# KiCad board Lime_RFE.kicad_pcb (continued)
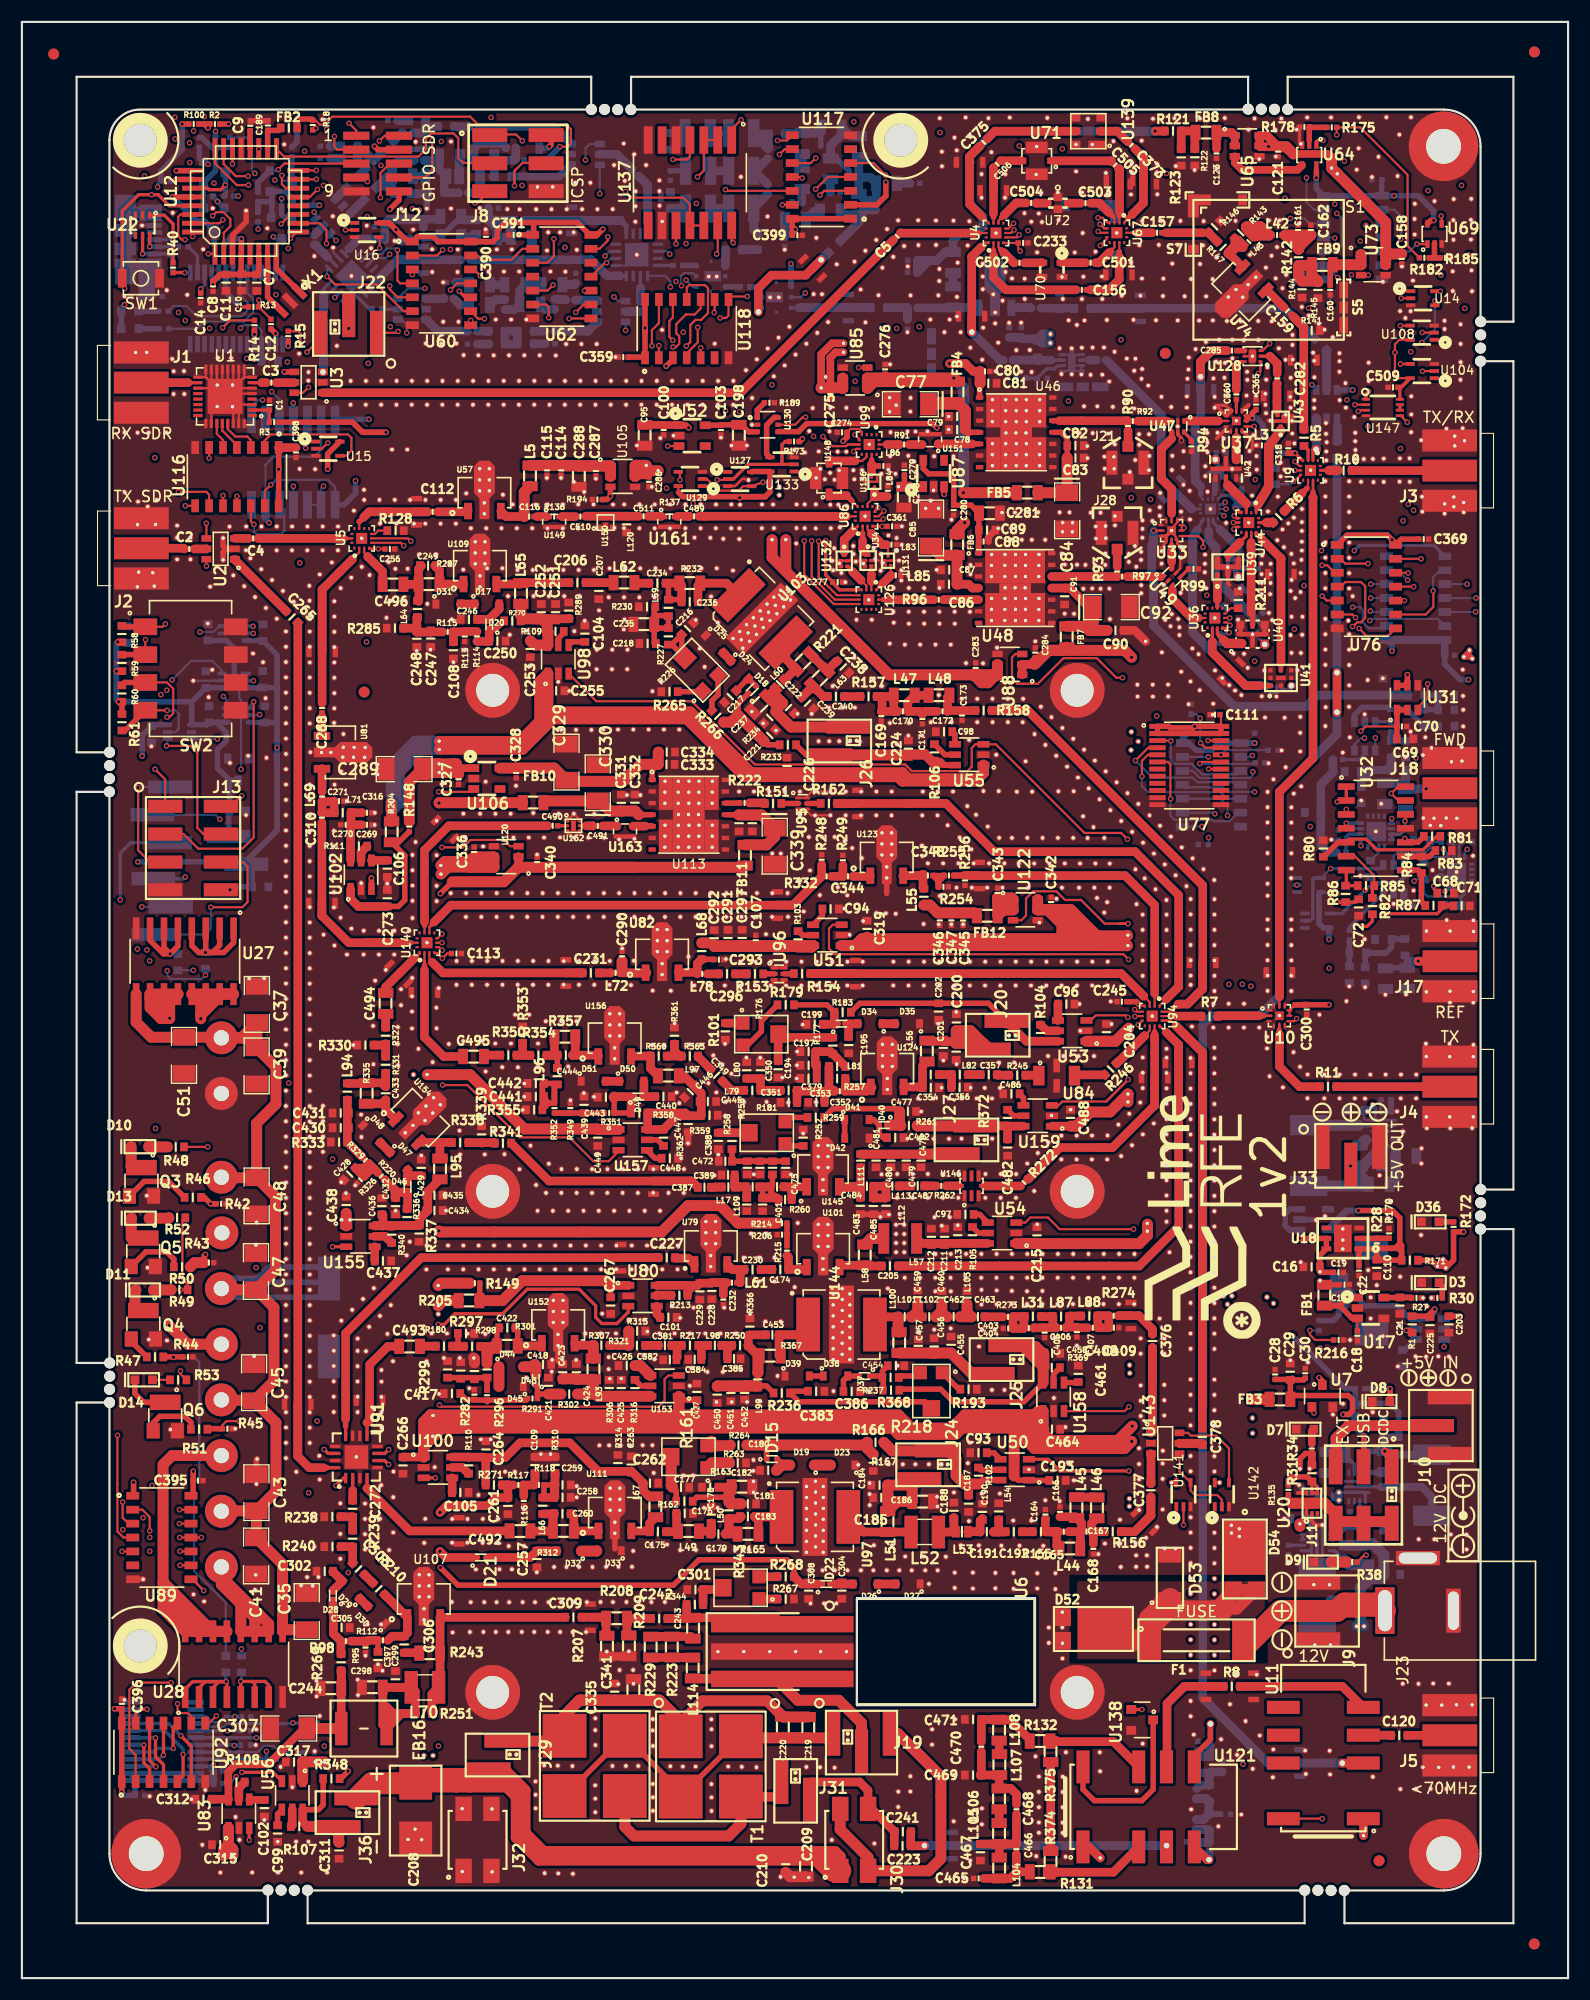
[diagram p0: board, top side]
## Routing (per net, layer and track width the routed paths; a pad name or vN(x,y) marks a point on that pad's centre or on a via; arc(x,y) is an arc through that point) (continued)
  SIG2 w0.2: v1(65.63,169.59) 65.42,169.8 57.45,169.8 56.97,169.32 51.1,169.32 50.62,169.8 v1(42.82,169.8)
/RX_L/SW1_A: length 45.7
  T w0.2: v1(59.41,165.96) 60.69,165.96 60.96,166.23 U137.4
  SIG1 w0.2: v1(32.77,165.41) 28.48,165.41 27.99,165.9 26.92,165.9 26.35,165.33 26.35,161.47 v1(26.66,161.15)
  SIG2 w0.2: v1(32.77,165.41) 33.32,165.41 33.48,165.25 38.46,165.25 38.53,165.18 39.84,165.18 40.43,165.78 47.14,165.78 47.27,165.91 v1(51.43,165.91) 52.2,165.91 53.59,164.52 57.67,164.52 59.11,165.96 v1(59.41,165.96)
  B w0.2: U134.4 51.84,167.38 51.43,166.97 v1(51.43,165.91) ; v1(26.66,161.15) 26.79,161.02 U38.6
/RX_L/SW1_B: length 51.6
  T w0.2: v1(61.65,164.37) 62.23,164.95 U137.3 U137.2
  SIG1 w0.2: v1(27.52,163.59) 29.23,161.88 29.23,160.34 28.66,159.77 v1(28.66,158.56)
  SIG2 w0.2: 29.51,163.1 33.74,163.1 33.94,162.91 52.66,162.91 v1(52.73,162.84) 53.38,162.19 59.47,162.19 v1(61.65,164.37) ; 29.51,163.1 28.03,163.1 27.89,163.24 ; 29.51,163.1 28.01,163.1 v1(27.52,163.59)
  B w0.2: v1(28.66,158.56) 28.14,159.09 U38.4 ; v1(52.73,162.84) 52.73,162.84 U134.6
/RX_L/SW2_2V5: length 33.7
  T w0.2: v1(63.4,157.33) 63.5,157.44 U137.13 ; v1(39.11,154.06) 39.71,154.65 U60.11
  SIG1 w0.2: v1(39.11,157.75) 39.11,157.75 v1(39.11,154.06)
  SIG2 w0.2: v1(39.11,157.75) 39.59,158.23 48.96,158.23 49.5,158.77 51.93,158.77 52.3,158.4 58.8,158.4 59.87,157.33 v1(63.4,157.33)
/RX_L/SW2_A: length 35
  T w0.2: v1(59.69,158.26) 59.69,158.26 U137.10
  SIG1 w0.2: v1(59.69,154.82) 59.69,154.83 v1(59.69,158.26)
  SIG2 w0.2: v1(36.78,154.19) 37.5,153.47 48.7,153.47 48.98,153.18 52.47,153.18 52.71,153.42 v1(54.03,153.42) 59.48,153.42 59.69,153.63 v1(59.69,154.82) ; v1(59.69,154.82) 59.69,154.31 v1(59.69,154.82)
  B w0.2: U93.6 35.23,154.19 v1(36.78,154.19) ; v1(54.03,153.42) 54.42,153.03 U135.4
/RX_L/SW2_B: length 44.9
  T w0.2: v1(55.08,163.04) 55.65,162.47 60.36,162.47 60.96,161.87 U137.11 U137.12
  SIG1 w0.2: v1(55.09,150.36) 55.09,163.03 v1(55.08,163.04)
  SIG2 w0.2: v1(35.11,150.13) 35.34,150.36 v1(55.09,150.36)
  B w0.2: v1(55.09,150.36) 55.09,150.36 U135.6 ; v1(35.11,150.13) 35.11,150.89 34.65,151.35 U93.4
/SCL: length 21.2
  T w0.2: v1(31.53,163.94) 31.16,164.31 J12.7
  SIG1 w0.2: v1(31.52,160.74) 31.54,160.76 v1(31.53,163.94)
  SIG2 w0.2: v1(17.84,162.11) 19.22,160.74 25.82,160.74 26.27,160.3 30.45,160.3 30.9,160.74 v1(31.52,160.74)
  B w0.2: v1(17.84,162.11) 17.44,162.51 R21.1
  B w0.5: R21.1 17.44,162.54 Q1.S
/SDA: length 36.2
  T w0.2: 37.42,167.66 37.47,167.71 37.48,167.71 v1(37.45,167.68) 37.45,164.96 36.8,164.31 J12.8
  SIG1 w0.2: v1(16.64,169.88) 16.32,169.56 16.32,168.67 17,168 v1(17,165.52)
  SIG2 w0.2: v1(37.45,167.68) 37.45,169.06 36.77,169.74 29.21,169.74 28.88,170.07 26.35,170.07 25.4,169.12 24.87,169.12 24.12,169.88 v1(16.64,169.88)
  B w0.2: v1(17,165.52) 16.78,165.73 Q2.S
  B w0.5: R22.1 16.19,166.11 Q2.S
/SW1_A: length 12.8
  T w0.2: v1(26.15,145.16) 25.66,144.67 U3.6
  SIG1 w0.2: v1(24.77,136.13) 24.77,140.24 26.15,141.62 v1(26.15,145.16)
  B w0.2: v1(24.77,136.13) 24.77,136.13 U115.4
/SW1_B: length 18.2
  T w0.5: v1(23.94,146.58) 23.95,146.57 U3.4
  SIG1 w0.2: v1(23.94,146.58) 25.11,146.58 25.74,147.22 26.38,147.22 26.81,146.79 26.81,146.08 27.37,145.52 27.37,136.3 v1(27.52,136.14)
  B w0.2: v1(27.52,136.14) 27.31,135.93 U115.2 U115.3
/SW2_V1: length 22.6
  T w0.2: v1(90.49,160.13) 90.02,159.65 U4.7 ; 72.81,162.71 v1(72.82,162.71) 73.21,163.09 U117.3
  SIG2 w0.2: v1(72.82,162.71) 74.29,161.24 87.35,161.24 88.47,160.13 v1(90.49,160.13)
/SW2_V2: length 25.1
  T w0.2: v1(90.53,159.52) 90.26,159.25 U4.6 ; v1(72.43,163.24) 73.55,164.36 U117.4
  SIG2 w0.2: v1(72.43,163.24) 72.15,162.96 72.15,162.35 73.6,160.9 87.04,160.9 88.17,159.77 89.67,159.77 89.92,159.52 v1(90.53,159.52)
/SW2_V3: length 26.9
  T w0.2: v1(91.01,159.08) 90.77,158.85 U4.5 ; v1(78.81,164.53) 77.71,165.63 U117.5
  SIG1 w0.2: v1(91.01,167.2) 91.01,167.2 v1(91.01,159.08)
  SIG2 w0.2: v1(91.01,167.2) 87.84,167.2 84.52,163.89 79.8,163.89 79.15,164.53 v1(78.81,164.53)
/SW3_A: length 22.6
  T w0.2: v1(16.84,128.86) 16.83,128.87 U2.6
  SIG1 w0.2: v1(25.36,129.15) 25.36,133.37 25.9,133.91 v1(25.9,139.61)
  SIG2 w0.2: v1(16.84,128.86) 21.13,128.86 21.41,129.15 v1(25.36,129.15)
  B w0.2: U115.12 25.9,142.1 v1(25.9,139.61)
/SW3_B: length 21.3
  T w0.2: U2.4 16.83,132.75 v1(16.83,132.76)
  SIG2 w0.2: v1(16.83,132.76) 17.2,133.13 22.23,133.13 v1(22.56,132.8)
  B w0.2: U115.13 27.31,139.47 26.68,138.85 22.98,138.85 22.23,138.1 U115.6
  B w0.5: v1(22.56,132.8) 22.23,133.13 U115.6
/SW4_V2: length 23.5
  T w0.2: v1(35.49,131.13) 35.23,131.38 31.96,131.38 ; v1(19.62,135.22) 19.62,135.22 U116.11
  SIG2 w0.2: v1(19.62,135.22) 19.62,134.36 20.19,133.79 29.66,133.79 30.17,133.27 30.72,133.27 31.15,133.7 33.99,133.7 35.49,132.21 v1(35.49,131.13)
/SW4_V3: length 24.5
  T w0.2: v1(34.84,130.72) 34.58,130.98 31.96,130.98 ; v1(18.35,135.3) 18.35,135.29 U116.10
  SIG2 w0.2: v1(34.84,130.72) 34.08,130.72 33.39,131.41 33.39,132.99 33.02,133.36 31.51,133.36 30.98,132.83 29.88,132.83 29.24,133.47 18.73,133.47 18.35,133.84 v1(18.35,135.3)
/SW5_A: length 110
  SIG2 w0.2: v1(21.96,144) 22.24,144.28 27.2,144.28 27.41,144.49 65.03,144.49 66.05,143.47 68.45,143.47 68.8,143.13 69.63,143.13 70.38,143.87 73.52,143.87 74.42,144.77 85.97,144.77 86.67,145.48 89.64,145.48 90.38,146.22 90.82,146.22 91.14,145.9 96.29,145.9 97.28,144.91 101.48,144.91 102.11,144.28 103.02,144.28 103.65,144.91 112.98,144.91 113.17,145.1 117.04,145.1 117.23,144.91 v1(121.44,144.91)
  B w0.2: 21.52,144 20.96,143.45 ; 21.52,144 20.96,143.45 ; 21.52,144 v1(21.96,144) ; 20.96,143.45 U115.8 20.96,143.45 ; v1(121.44,144.91) 121.44,144.92 U8.6
  B w0.5: 121.48,144.92 121.47,144.93 120.04,144.93
/SW5_B: length 103.8
  SIG2 w0.2: v1(22.79,144.77) 22.88,144.68 26.6,144.68 26.77,144.86 67.27,144.86 67.83,144.3 73.36,144.3 74.18,145.11 85.59,145.11 85.59,145.07 86.32,145.8 89.42,145.8 90.17,146.55 90.41,146.55 91.29,147.43 93.04,147.43 93.56,146.91 99.99,146.91 102.16,144.74 102.91,144.74 103.38,145.21 112.19,145.21 112.37,145.4 v1(117.72,145.4)
  B w0.2: v1(117.72,145.4) 118.1,145.02 U8.4 ; v1(22.79,144.77) 23.5,144.06 U115.10 U115.9 22.23,143.3
/SW6_V2: length 25.1
  T w0.2: 116.64,137.59 v1(116.16,137.59) ; v1(125.8,147.3) 125.81,147.3 U104.4
  SIG1 w0.2: v1(125.8,147.3) v1(125.8,139.58)
  SIG2 w0.2: v1(125.8,139.58) 127.53,139.58 128.12,138.99 128.12,138.23 127.42,137.53 118.71,137.53 118.09,138.15 117.18,138.15 116.61,137.59 v1(116.16,137.59)
/SW6_V3: length 25.3
  T w0.2: v1(116.17,138.39) 116.57,137.99 116.64,137.99 ; v1(125.79,150.79) 126.67,150.79 U108.4
  SIG1 w0.2: v1(117.42,152.39) 116.83,151.8 116.83,138.67 116.54,138.39 v1(116.17,138.39)
  SIG2 w0.2: v1(125.79,150.79) 119.83,150.79 118.23,152.39 v1(117.42,152.39)
/SW7_CTRL: length 129
  T w0.2: v1(116.32,87.56) 116.09,87.32 115.68,87.32 ; v1(71.2,164.26) 71.1,164.36 U117.11 ; U10.7 U10.7
  SIG1 w0.2: v1(115.26,162.44) 115.26,156.92 112.28,153.94 112.28,149.03 112.64,148.68 113.12,148.68 114.77,147.02 114.77,141.28 115.49,140.56 115.49,139.6 115.68,139.4 115.68,136.95 115.49,136.75 115.49,133.76 113.69,131.97 113.69,131.09 115.13,129.65 115.13,120.37 115.41,120.1 116.46,120.1 117.21,119.35 117.21,107.51 116.4,106.69 116.4,103.21 117.04,102.57 117.04,99.05 116.32,98.34 v1(116.32,87.56)
  SIG2 w0.2: v1(115.26,162.44) 115.06,162.23 97.94,162.23 97.31,161.61 74.8,161.61 74.8,161.6 72.13,164.26 v1(71.2,164.26)
/SWR_EN: length 108.6
  T w0.2: v1(72.44,166.08) 71.99,165.63 U117.10 ; v1(128.29,118.1) 128.29,116.87 127.38,115.96 U31.3
  SIG1 w0.2: v1(128.32,163.12) 128.32,163.11 v1(128.29,118.1)
  SIG2 w0.2: v1(128.32,163.12) 127.98,163.45 122.84,163.45 122.52,163.78 106.1,163.78 105.75,164.13 97.98,164.13 97.71,164.4 93.03,164.4 92.4,163.78 86.83,163.78 85.8,162.75 75.72,162.75 72.44,166.03 v1(72.44,166.08)
/SWR_Meter_Subsystem/SW_A: length 25.3
  SIG1 w0.2: v1(122.61,99.3) 122.73,99.42 122.73,104.47 122.51,104.69 122.51,106.42 122.76,106.67 122.76,109.07 122.51,109.32 v1(122.51,113.16)
  B w0.2: v1(122.51,113.16) 122.18,113.16 121.6,112.58 U29.6
  B w0.3: U125.4 120.45,97.14 v1(122.61,99.3) 122.92,99.61 123.54,99.61 123.9,99.97 125.65,99.97 126.14,100.46 U30.6 126.13,101.58
/SWR_Meter_Subsystem/SW_B: length 31.9
  T w0.2: v1(119.42,101.24) 119.42,101.24
  SIG1 w0.2: v1(123.51,113.18) 123.51,113.89 122.87,114.53 120.15,114.53 119.14,113.51 119.14,104.8 118.64,104.3 118.64,102.07 119.42,101.29 v1(119.42,101.24)
  B w0.2: 117.82,96.75 117.56,96.49 U125.2 ; v1(123.51,113.18) 123.5,113.18 U29.4 ; U114.4 v1(119.42,101.24)
  B w0.3: v1(119.42,101.24) 123.89,101.24 U30.4 ; U125.2 117.56,96.49 117.82,96.75 117.82,100.27 117.94,100.39 U114.4
/SWR_SW_A: length 142.8
  T w0.2: v1(17.08,138.7) 17.08,138.7 U116.6
  SIG1 w0.2: v1(112.55,136.75) 114.28,136.75 115.13,135.9 115.13,134.03 113.37,132.28 113.37,130.88 114.75,129.51 114.75,120.08 116.78,118.05 116.78,117.36 116.05,116.64 116.05,109.44 115.28,108.66 115.28,102.4 115.7,101.98 115.94,101.98 116.36,101.56 v1(116.36,99.75)
  SIG2 w0.2: 108.5,136.25 109,136.75 ; 108.5,136.25 107.3,136.25 106.8,136.75 104.06,136.75 103.87,136.94 86.87,136.94 86.39,137.42 83.37,137.42 80.86,139.92 78.4,139.92 77.17,138.7 47.25,138.7 46.08,139.87 38.37,139.87 37.2,138.7 v1(17.08,138.7) ; 108.5,136.25 109,136.75 ; 109,136.75 v1(112.55,136.75)
/TOP_CTR/SW1_2V5: length 113.2
  T w0.2: v1(22.72,136.27) 22.16,135.71 U116.13
  T w0.5: U117.2 78.03,161.82 78.84,162.63 v1(78.84,163.88)
  SIG2 w0.2: v1(78.84,163.88) 78.24,163.88 77.91,164.22 77.91,164.76 73.42,169.25 69.39,169.25 68.24,168.1 47.87,168.1 46.48,166.72 33.45,166.72 33.25,166.51 31.85,166.51 31.64,166.72 29.61,166.72 29.01,167.31 26.4,167.31 v1(25.8,166.72)
  SIG2 w0.5: 68.24,168.1 69.39,169.25
  PWR w0.2: v1(25.8,166.72) 24.88,165.8 24.88,164.61 21.02,160.74 21.02,152.48 22.43,151.07 22.43,149.26 23.03,148.66 23.03,146.44 30.45,139.03 v1(30.45,136.64)
  B w0.2: U115.1 28.58,136.08 27.94,136.72 23.17,136.72 v1(22.72,136.27)
  B w0.5: U115.1 29.4,134.44 30.45,135.49 v1(30.45,136.64)
/TOP_CTR/SW3_2V5: length 8
  T w0.2: v1(21.17,132.65) 20.89,132.93 U116.12
  B w0.2: v1(21.17,132.65) 21.17,132.02 21.4,131.79 23.65,131.79 23.95,132.09 23.95,133.99 U115.5
/TOP_CTR/SW5_2V5: length 68.4
  T w0.2: v1(24.77,143.73) 24.76,143.73 ; v1(64.2,163.21) 64.32,163.09 U117.12
  SIG1 w0.2: v1(64.2,163.21) v1(64.2,143.03)
  SIG2 w0.2: v1(24.77,143.73) 28.3,143.73 28.75,144.18 63.79,144.18 64.2,143.77 v1(64.2,143.03)
  B w0.2: v1(24.77,143.73) 24.77,143.73 U115.11
/TX_H2/HF_BANK/IN: length 27.3
  T w0.79: C241.1 81.11,13.32 C223.1 82.37,12.07 82.38,12.08 ; 104.45,12.1 U121.4
  B w0.79: 104.45,12.1 104.44,12.1 TRANS_VIA#12.1 84.9,12.1 P18.2
/TX_H2/HF_BANK/LPF30/IN: length 8.7
  T w0.79: U121.3 99.6,9.66 94.19,9.66
/TX_H2/HF_BANK/LPF30/OUT: length 8.7
  T w0.79: U121.10 99.61,21.57 94.21,21.57
/TX_H2/HF_BANK/LPF70/IN: length 2.5
  T w0.79: TRANS_VIA#14.1 108.16,10.8 U121.5
  B w0.79: R275.2 108.34,10.77
/TX_H2/HF_BANK/LPF70/OUT: length 5.6
  T w0.5: U121.8 106.99,20.31 108.46,21.78 TRANS_VIA#11.1
  B w0.5: TRANS_VIA#11.1 108.45,23.18 R276.1
/TX_H2/LPF145/IN: length 1
  T w0.79: C192.1 R155.2
/TX_H2/LPF145/OUT: length 9.5
  T w0.79: 103.02,42.22 103.02,43.91 103.02,42.22 ; 103.02,42.22 101.55,40.74 R156.1 ; 103.02,42.22 103.02,42.22 P32.2 ; 103.02,42.22 101.6,40.79
/TX_H2/LPF220/IN: length 1.7
  T w0.79: R273.2 C463.1
/TX_H2/LPF220/OUT: length 5.2
  T w0.79: 103.17,58.74 103.17,59.22 101.94,60.45 R274.1 101.19,60.45 P31.2
/TX_H2/LPF435/IN: length 1.5
  T w0.79: R157.2 76.5,116.95 C240.1
/TX_H2/LPF435/OUT: length 70.4
  T w0.2: 105.5,88.86 104.83,88.19 104.1,88.19
  T w0.3: 105.5,88.85 105.54,88.89 104.84,88.19 104.83,88.19
  T w0.79: 105.5,88.85 105.5,88.86 ; 107.76,90.28 106.36,88.89 ; 107.76,90.28 107.76,99.71 ; 107.76,90.28 106.36,88.89 ; 107.76,90.28 107.75,90.29 P35.2 ; 106.36,88.89 105.54,88.89 ; 91.79,115.68 107.76,99.71 ; 91.79,115.68 107.76,99.71 ; 91.79,115.68 R158.1 91.17,115.68
/TX_H2/LPF920/IN: length 1.1
  T w0.79: R262.2 C487.1
/TX_H2/LPF920/OUT: length 25.3
  T w0.2: 103.37,86.36 103.37,86.83
  T w0.5: 103.37,86.02 103.36,86.02 103.36,85.76 103.37,85.75 103.37,86.36
  T w0.79: 103.37,86.02 103.37,85.75 103.37,85.75 103.37,79.64 ; R272.1 91.85,72.92 94.72,75.79 98.27,75.79 ; 103.37,79.64 99.52,75.79 98.27,75.79 ; 103.37,79.64 P30.2 ; 98.9,75.79 98.27,75.79
/TX_H2/LPF1280/IN: length 1.1
  T w0.79: C357.1 89.04,82.4 R245.2
/TX_H2/LPF1280/OUT: length 8.6
  T w0.1: 102.92,86.46 102.4,85.94
  T w0.2: 102.4,85.94 102.92,86.46 102.92,86.83
  T w0.79: 100.23,83.77 102.45,85.99 99.95,83.49 R246.1
/TX_H2/LPF2400/IN: length 1.4
  T w0.79: R151.2 67.75,107.24 R222.2
/TX_H2/LPF2400/OUT: length 52.5
  T w0.2: 104.41,89.33 103.82,88.74
  T w0.7: 81.2,107.19 84.33,107.19
  T w0.79: 105.56,90.48 105.56,98.82 101.58,102.79 88.72,102.79 84.33,107.19 80.71,107.19 ; 105.56,90.48 104.41,89.33 105.56,90.48 ; 80.71,107.19 81.2,107.19 ; 80.71,107.19 R152.1 P34.2
/TX_H2/LPF3500/IN: length 1.1
  T w0.79: R153.2 66.14,91.64 C296.1
/TX_H2/LPF3500/OUT: length 37.2
  T w0.2: 102.37,89.61 102.92,89.06 102.92,88.74
  T w0.79: 102.37,89.61 102.37,89.61 102.01,89.98 102.01,89.99 100.33,91.66 98.97,91.66 ; 98.97,91.66 99.7,91.66 ; 98.97,91.66 R154.1 71.96,91.67 P33.2
/TX_H2/PA30/RF_IN: length 5.7
  T w0.79: R208.2 53.31,31.31 R207.2 53.17,31.45 ; R208.2 53.2,32.93 C309.1 ; R208.2 53.2,32.93 P9.2
/TX_H2/PA145/RF_IN: length 3.3
  T w0.5: 55.69,40.8 55.68,40.81
  T w0.79: L67.2 57.28,41.52 C175.2 57.21,40.81 U111.3
/TX_H2/PA435/RF_IN: length 6.7
  T w0.79: U109.3 45.44,127.21 L65.2 45.57,127.34 C206.2
/TX_H2/PA1000/RF_IN: length 1
  T w0.79: C174.2 68.45,64.66 C230.1
/TX_H2/PA1000/RF_OUT: length 71.6
  T w0.2: 104.43,86.31 103.9,86.83 103.82,86.83 103.82,86.77
  T w0.79: 105.56,74.81 105.56,85.18 ; 105.56,74.81 105.56,85.18 ; 105.56,74.81 105.56,68.58 101.96,64.98 C205.1 93.36,64.98 ; 105.56,85.18 104.43,86.31 ; 105.56,85.18 105.55,85.17 P28.2
/TX_H2/PA1280/RF_IN: length 1.7
  T w0.79: C349.2 61.7,84.09 R363.1
/TX_H2/PA2400/RF_IN: length 20.2
  T w0.2: 36.74,96.43 36.74,95.43
  T w0.3: 36.74,96.43 36.73,96.43 ; 36.74,95.91 36.74,96.07
  T w0.5: 36.74,96.07 36.74,96.43
  T w0.79: 36.73,96.43 36.74,96.43 36.74,102.93 38.96,105.15 C490.2
/TX_H2/PA2400/VREF: length 18.4
  T w0.5: C333.1 57.52,110.21 U113.1
  T w0.7: 45.1,110.41 C328.1 ; 58.07,111.86 C334.1
  T w1: C334.1 58.07,111.86 C333.1 56.43,110.76 54.88,109.21 49.8,109.21 C329.1 48.58,110.42 C328.1 ; U106.5 45.1,110.41
/TX_H2/PA3500/RF_IN: length 29.4
  T w0.1: 51.14,91.76 C231.2
  T w0.2: 37.19,93.53 37.19,92.96 37.44,92.71 ; C231.2 38.42,91.73
  T w0.79: 37.44,92.71 38.42,91.73 C231.2 49.64,91.73 P8.2
/TX_H2/PA3500_EN: length 60.2
  T w0.2: v1(100.99,92.95) 100.51,93.43 74.18,93.43 73.65,93.96 73.65,95.78 74,96.12 U51.3 ; v1(108.3,110.34) 108.31,110.33 U77.18
  SIG1 w0.2: v1(100.99,92.95) 101.45,92.95 102.02,93.53 102.47,93.53 103.41,94.46 103.41,98.24 104.82,99.65 105.4,99.65 108.3,102.55 v1(108.3,110.34) 108.3,104.08 v1(108.29,104.08)
  B w0.2: v1(108.29,104.08) 108.29,103.49 R169.2
/TX_H2/PA3500_EN_2V5: length 13.2
  T w0.2: 104.59,110.98 104.81,110.76 ; 104.59,110.98 104.81,110.76 ; 104.59,110.98 U77.6 ; 104.81,110.76 104.81,107.64 v1(104.83,107.62)
  B w0.2: U75.6 110.97,106.35 110.18,105.56 108.79,105.56 108.65,105.7 105.18,105.7 104.81,106.08 104.81,107.6 v1(104.83,107.62)
/TX_H2/PA4000/RF_IN: length 40.7
  T w0.2: 37.28,96.02 37.19,95.93 37.19,95.43
  T w0.3: 37.45,96.2 37.28,96.03 37.28,96.02
  T w0.5: 37.45,96.2 37.63,96.39
  T w0.79: 37.63,96.39 39.16,97.91 64.62,97.91 64.62,97.91 70.36,97.91 ; 70.36,97.91 R332.2 72.98,100.54 R248.1 ; 70.36,97.91 70.35,97.92 P15.2
/TX_H2/PA4000/RF_OUT: length 31.5
  T w0.2: 103.37,89.85 103.37,88.74
  T w0.6: R256.1 86.05,100.61 R255.1
  T w0.79: 100.04,100.61 98.5,100.61 ; 98.5,100.61 R256.1 86.06,100.61 P24.2 ; 98.5,100.61 100.67,100.61 103.37,97.91 103.37,89.85
/TX_H2/PA_70_EN: length 21.5
  T w0.3: v1(20.07,18.78) 22.92,18.78 U56.3 ; v1(20.74,12.58) 20.75,12.59 U83.3
  SIG1 w0.3: v1(19.44,23.86) 20.07,23.23 v1(20.07,18.78) 20.07,13.25 v1(20.74,12.58)
  B w0.2: 18.59,23.88 18.08,23.37 17.36,23.37 16.84,23.88 U78.15
  B w0.3: 15.88,23.87 U78.15 ; 18.59,23.88 19.42,23.88 v1(19.44,23.86) R199.2
/TX_H2/PA_70_EN_2V5: length 9.5
  T w0.3: v1(14.5,22.12) 15.46,21.16 U92.6
  B w0.3: v1(14.5,22.12) 13.4,23.23 U78.9
  B w0.5: U78.9 10.07,23.23
/TX_H2/PA_145_EN: length 138.1
  T w0.3: v1(101.01,46.28) 94.72,46.28 93.66,47.34 U50.3 ; v1(37.73,45.65) 37.72,45.65 U100.3
  SIG1 w0.2: v1(26.94,50.83) 26.94,48.51 26.17,47.74 v1(26.17,44.28)
  SIG1 w0.3: v1(26.17,44.28) 24.73,42.84 v1(24.73,23.29)
  SIG2 w0.2: v1(26.94,50.83) 32.06,50.83
  SIG2 w0.3: 32.06,50.83 78.22,50.83 79.21,49.84 84.85,49.84 85.35,50.33 90.8,50.33 92.51,48.62 98.18,48.62 100.53,46.28 v1(101.01,46.28) ; v1(26.17,44.28) 27.22,44.28 28.59,45.65 v1(37.73,45.65)
  B w0.2: 18.75,23.23 18.46,22.94 17.2,22.94 16.92,23.23 U78.16
  B w0.3: 15.9,23.2 U78.16 15.87,23.23 ; 18.75,23.23 24.67,23.23 v1(24.73,23.29) 24.77,23.26 R198.2
/TX_H2/PA_145_EN_2V5: length 8.5
  T w0.3: v1(14.71,20.4) 14.71,18.46 U92.5
  B w0.3: v1(14.71,20.4) 14.71,20.9 13.03,22.58 U78.8
/TX_H2/PA_220/RF_IN: length 1.2
  T w0.79: 58.08,57.74 C381.2 58.08,57.74 ; 58.08,57.74 R321.1
/TX_H2/PA_220_EN: length 155
  T w0.2: v1(38.1,52.29) 38.25,52.14 58.1,52.14 58.65,52.69 58.65,54.64 59,54.99 U153.3 ; v1(101.01,52.13) 100.63,51.74 U158.3
  SIG1 w0.2: v1(38.01,21.18) 38.42,21.59 38.42,28.29 39.93,29.79 39.93,42.59 39.14,43.37 39.14,51.25 v1(38.1,52.29)
  SIG2 w0.2: v1(38.1,52.29) 38.92,51.47 78.6,51.47 79.67,50.39 84.41,50.39 85.42,51.4 100.29,51.4 v1(101.01,52.13) ; v1(18.77,22.58) 18.77,21 19.97,19.8 25.84,19.8 26.25,20.2 28.5,20.2 29.48,21.18 v1(38.01,21.18)
  B w0.3: R197.2 v1(18.77,22.58) 18.77,22.58 U78.17 15.88,22.57 17.48,22.57
/TX_H2/PA_220_EN_2V5: length 6.4
  T w0.3: v1(12.19,21.92) 12.19,20.2 12.92,19.47 U92.4
  B w0.3: v1(12.19,21.92) 12.19,21.93 U78.7
/TX_H2/PA_435_EN: length 82.5
  T w0.2: v1(107.57,112.7) 107.99,112.28 U77.21 ; 80.76,110.59 80.6,110.74 66.89,110.74 61.11,116.52 52.41,116.52 U98.3 ; 80.76,110.59 80.81,110.54 ; 80.76,110.59 81.21,110.14 86.28,110.14 86.68,110.54 86.68,112.26 87.01,112.59 U55.3 88.87,112.59 96.97,104.5 100.31,104.5 v1(100.89,103.93)
  SIG1 w0.2: v1(103.56,115.18) 103.56,105.89 101.59,103.93 v1(100.89,103.93)
  SIG2 w0.2: v1(107.53,114.96) 107.31,115.18 v1(103.56,115.18)
  B w0.2: v1(107.57,112.7) 107.53,112.74 v1(107.53,114.96) 107.14,115.35 R159.2
/TX_H2/PA_435_EN_2V5: length 10
  T w0.2: v1(104.84,112.9) 104.82,112.93 U77.3
  B w0.2: v1(104.84,112.9) 104.84,111.12 105.15,110.82 106.73,110.82 107.69,109.86 110.9,109.86 U75.3
/TX_H2/PA_920/RF_IN: length 22.2
  T w0.79: R341.1 48.1,72.74 61.11,72.74 ; 61.11,72.74 C387.2 ; 61.11,72.74 61.11,72.74 P17.2
/TX_H2/PA_920_EN: length 168.6
  T w0.2: 98.95,79.99 v1(100.95,81.99) 98.95,79.99 ; 98.95,79.99 94.95,79.99 94.6,79.64 U159.3
  T w0.3: v1(28.35,66.74) 28.35,66.74 U155.3
  SIG1 w0.2: v1(28.35,74.73) v1(28.35,66.74)
  SIG1 w0.3: v1(24.81,20.6) 27.7,23.5 27.7,45.1 29.41,46.8 29.41,49.6 27.7,51.3 27.7,60.2 28.35,60.85 v1(28.35,74.73)
  SIG2 w0.3: v1(28.35,74.73) 29.75,76.13 35.82,76.13 36.39,76.7 65.99,76.7 66.97,77.68 96.63,77.68 v1(100.95,81.99)
  B w0.2: v1(100.95,81.99) 100.94,81.99 ; v1(24.81,20.6) 23.53,20.6 22.95,21.18 22.09,21.18 21.53,20.63 U78.20
  B w0.3: 20.15,20.64 20.14,20.63 U78.20 ; 23.53,20.6 v1(24.81,20.6) 24.82,20.59 R129.2
/TX_H2/PA_920_EN_2V5: length 5.9
  T w0.3: v1(12.91,20.36) 12.92,20.37 U92.11
  B w0.3: v1(12.91,20.36) 12.53,19.98 U78.4
/TX_H2/PA_1000_EN: length 187
  T w0.2: v1(101.45,68.34) 94.7,68.34 93.63,69.41 92.03,69.41 91.56,68.94 U54.3
  T w0.3: v1(37.99,59.65) 38.54,59.65 39.51,60.62 43.86,60.62 46.1,62.86 50.86,62.86 52.36,61.36 52.36,60.29 52.92,59.73 54.29,59.73 55.34,60.77 U80.3
  SIG1 w0.2: 22.19,56.42 22.19,58.91 v1(21.73,59.36) 21.37,59.73 v1(21.37,64.84)
  SIG1 w0.3: v1(21.4,21.93) 22.19,22.72 22.19,56.42
  SIG2 w0.2: v1(21.73,59.36) 21.75,59.35 24.84,59.35
  SIG2 w0.3: 24.84,59.35 30.11,59.35 30.84,60.08 32.03,60.08 32.46,59.65 v1(37.99,59.65) ; v1(21.37,64.84) 35.48,64.84 36.42,65.78 60.59,65.78 62.34,64.03 63.49,64.03 64.13,64.67 71.48,64.67 72.35,63.8 73.84,63.8 75.04,65.01 101.97,65.01 102.63,65.67 102.63,67.15 v1(101.45,68.34)
  B w0.3: 15.88,21.93 U78.18 22.02,21.93 R196.2 22.02,21.93 v1(21.4,21.93)
/TX_H2/PA_1000_EN_2V5: length 4.6
  T w0.3: v1(11.13,21.28) 11.13,19.63 11.65,19.11 U92.3
  B w0.3: v1(11.13,21.28) 11.12,21.28 U78.6
/TX_H2/PA_1280_EN: length 177.3
  T w0.2: v1(38.4,81.49) 40.65,81.49 45.42,76.72 49.97,76.72 52.14,74.54 53.55,74.54 54.45,75.44 U157.3 ; v1(100.92,87.67) 100.73,87.86 98,87.86 97.53,87.39 U53.3
  SIG1 w0.3: v1(22.31,20.69) 22.98,21.36 22.98,80.75 23.9,81.67 v1(24.35,81.67)
  SIG2 w0.2: 38.22,81.67 v1(38.4,81.49) ; 38.22,81.67 v1(38.4,81.49) ; 38.22,81.67 v1(24.35,81.67) ; v1(38.4,81.49) 41.52,81.49 45.68,77.33 65.81,77.33 67.76,79.28 79.04,79.28 82.19,82.43 98.63,82.43 100.24,84.04 100.24,86.75 100.92,87.43 v1(100.92,87.67)
  B w0.3: v1(22.31,20.69) 22.32,20.69 R195.2 22.31,19.98 U78.21
/TX_H2/PA_1280_EN_2V5: length 6.4
  T w0.3: v1(12.23,19.29) 11.65,19.87 U92.12
  T w0.5: U92.12 11.62,23.23
  B w0.3: v1(12.23,19.29) 12.19,19.33 U78.3
/TX_H2/PA_2400_EN: length 97.4
  T w0.2: v1(38.03,108.25) 40.97,108.25 U106.3 ; v1(38.33,103.18) 40.25,103.18 40.93,103.86 43.98,103.86 44.55,103.29 U120.3
  SIG1 w0.2: v1(38.33,103.18) 38.49,103.35 38.49,105.92 37.55,106.86 37.55,107.78 v1(38.03,108.25)
  SIG2 w0.2: v1(109.42,111.63) 108.92,112.13 103.79,112.13 103.79,112.12 99.74,108.06 97.75,108.06 97.22,107.53 65.46,107.53 64.82,108.17 64.82,109.61 64.18,110.26 56.66,110.26 54.66,108.25 v1(38.03,108.25)
  B w0.2: R160.2 113.74,112.05 109.85,112.05 v1(109.42,111.63)
/TX_H2/PA_2400_EN_2V5: length 13
  T w0.2: v1(101.61,111.1) 102.78,112.28 U77.4
  B w0.2: v1(101.61,111.1) 103.17,109.55 106.83,109.55 107.25,109.13 110.98,109.13 U75.4
/TX_H2/PA_4000_EN: length 39.9
  T w0.2: 100.78,96.22 100.11,96.22 v1(100.94,96.22) 98.81,96.22 96.65,98.39 95.19,98.39 94.4,99.17 92.28,99.17 91.63,98.53 91.63,96.96 91.21,96.53 U122.3 ; v1(107.49,110.83) 107.64,110.98 U77.19
  SIG1 w0.2: v1(107.49,110.83) 107.49,107.75 102.59,102.85 102.12,102.85 100.94,101.68 v1(100.94,96.22)
  B w0.2: v1(107.49,110.83) 107.52,110.8 112.44,110.8 R164.2
/TX_H2/PA_4000_EN_2V5: length 13.4
  T w0.2: U77.5 102.75,111.63 102.21,111.08 v1(102.21,109.66)
  B w0.2: v1(102.21,109.66) 102.21,108.77 102.75,108.23 109.37,108.23 109.98,107.62 U75.5
/TX_H2/PDRIV30/RF_IN: length 2.1
  T w0.3: U91.2 30.18,45.62 30.18,44.5
  T w0.79: C272.2 30.18,44.5
/TX_H2/PDRIV145/RF_IN: length 15.5
  T w0.3: U91.4 31.49,44.7
  T w0.79: 31.49,44.7 35.38,40.81 C492.1
/TX_H2/PDRIV220/RF_IN: length 11.8
  T w0.3: 31.5,50.7 31.49,50.68 U91.9
  T w0.79: 31.49,50.69 31.73,50.92 ; 31.73,50.92 31.73,55.97 33.4,57.65 C493.1 ; 31.73,50.92 31.73,52.71 P45.2
/TX_H2/PDRIV920/RF_IN: length 5
  T w0.2: 36.29,93.43 36.29,93.53 35.84,93.09
  T w0.79: 35.84,93.09 35.84,93.08 33.2,90.44 C494.1
/TX_H2/PDRIV1000/PRED_VDD: length 17.4
  T w0.5: 53.64,63.21 53.72,63.13 C267.2 ; R205.1 41.78,61.85 R149.2
  T w0.79: 53.64,63.21 U80.1
  T w1: 53.72,63.13 53.21,63.64 45.67,63.64 43.85,61.82 R205.1
/TX_H2/PDRIV1000/RF_IN: length 44.2
  T w0.3: 29.54,50.93 29.54,51.02 ; 29.54,50.33 U91.12
  T w0.5: 29.54,50.93 29.54,50.33
  T w0.79: P2.2 58.09,65.74 C227.2 36.45,65.74 29.54,58.84 29.54,51.02
/TX_H2/PDRIV1280/RF_IN: length 13.1
  T w0.2: 39.13,84.1 C495.1 ; 36.74,92.78 36.74,93.53
  T w0.3: 36.74,92.42 36.74,92.78
  T w0.5: 36.74,92.42 36.74,91.98
  T w0.79: 36.74,91.98 36.74,85.85 38.49,84.1 C495.1
/TX_H2/PDRIV_H_EN: length 98.9
  T w0.5: v1(31.9,100.38) U102.3
  SIG1 w0.2: v1(27.59,21.17) 28.79,22.37 28.79,37.06 30.18,38.45 30.18,43.98 31.34,45.14 31.34,48.9 29.52,50.71 29.52,58.7 31.88,61.06 31.88,62.3 31.55,62.63 31.55,91.37 31.87,91.69 31.87,100.35 v1(31.89,100.38)
  SIG2 w0.2: v1(19.38,21.22) 20,20.6 21.42,20.6 22,21.17 v1(27.59,21.17)
  B w0.2: 19.91,21.22 R174.2
  B w0.3: 15.89,21.29 U78.19 ; U78.19 15.88,21.27 ; U78.19 18.05,21.28 ; U78.19 19.32,21.28 v1(19.38,21.22) 19.42,21.26 R174.2 19.91,21.22
/TX_H2/PDRIV_H_EN_2V5: length 6.8
  T w0.3: 14.19,22.75 U92.10 13.8,22.88 v1(13.8,20.97)
  B w0.3: v1(13.8,20.97) 12.3,20.97 11.96,20.63 U78.5
  B w0.5: 10.07,20.62 U78.5
/TX_H2/PREDRIVER_H/PRED_VDD: length 14.2
  T w0.5: R148.2 34.38,103.65 R204.1 34.94,102.44 34.94,98.37 34.36,97.79 C273.2
  T w0.79: U102.1 30,98.49 30.7,97.79 C273.2
/TX_H2/PREDRIVER_H/RF_OUT: length 26
  T w0.2: 31.31,94.48 36.01,94.48
  T w0.5: 34.69,94.48 35.5,94.48
  T w0.79: 31.31,94.48 33.4,94.48 ; 33.4,94.48 35.09,94.48 ; 33.4,94.48 29.83,94.48 27.37,96.94 ; 27.37,96.94 C310.2 ; 27.37,96.94 27.37,96.94 P112.2
/TX_H2/R_CTRL_2V5: length 96.7
  T w0.3: v1(102.21,24.51) 102.21,24.51 U138.2 ; v1(11.41,24.53) 10.78,24.53 10.38,24.13 U92.13
  T w0.5: U138.2 101.23,24.67
  SIG2 w0.3: v1(11.41,24.53) 20.55,24.53 23.03,22.05 91.68,22.05 92.07,21.67 99.86,21.67 102.21,24.02 v1(102.21,24.51)
